# KiCad board ZX-Spectrum-Keyboard.kicad_pcb (continued)
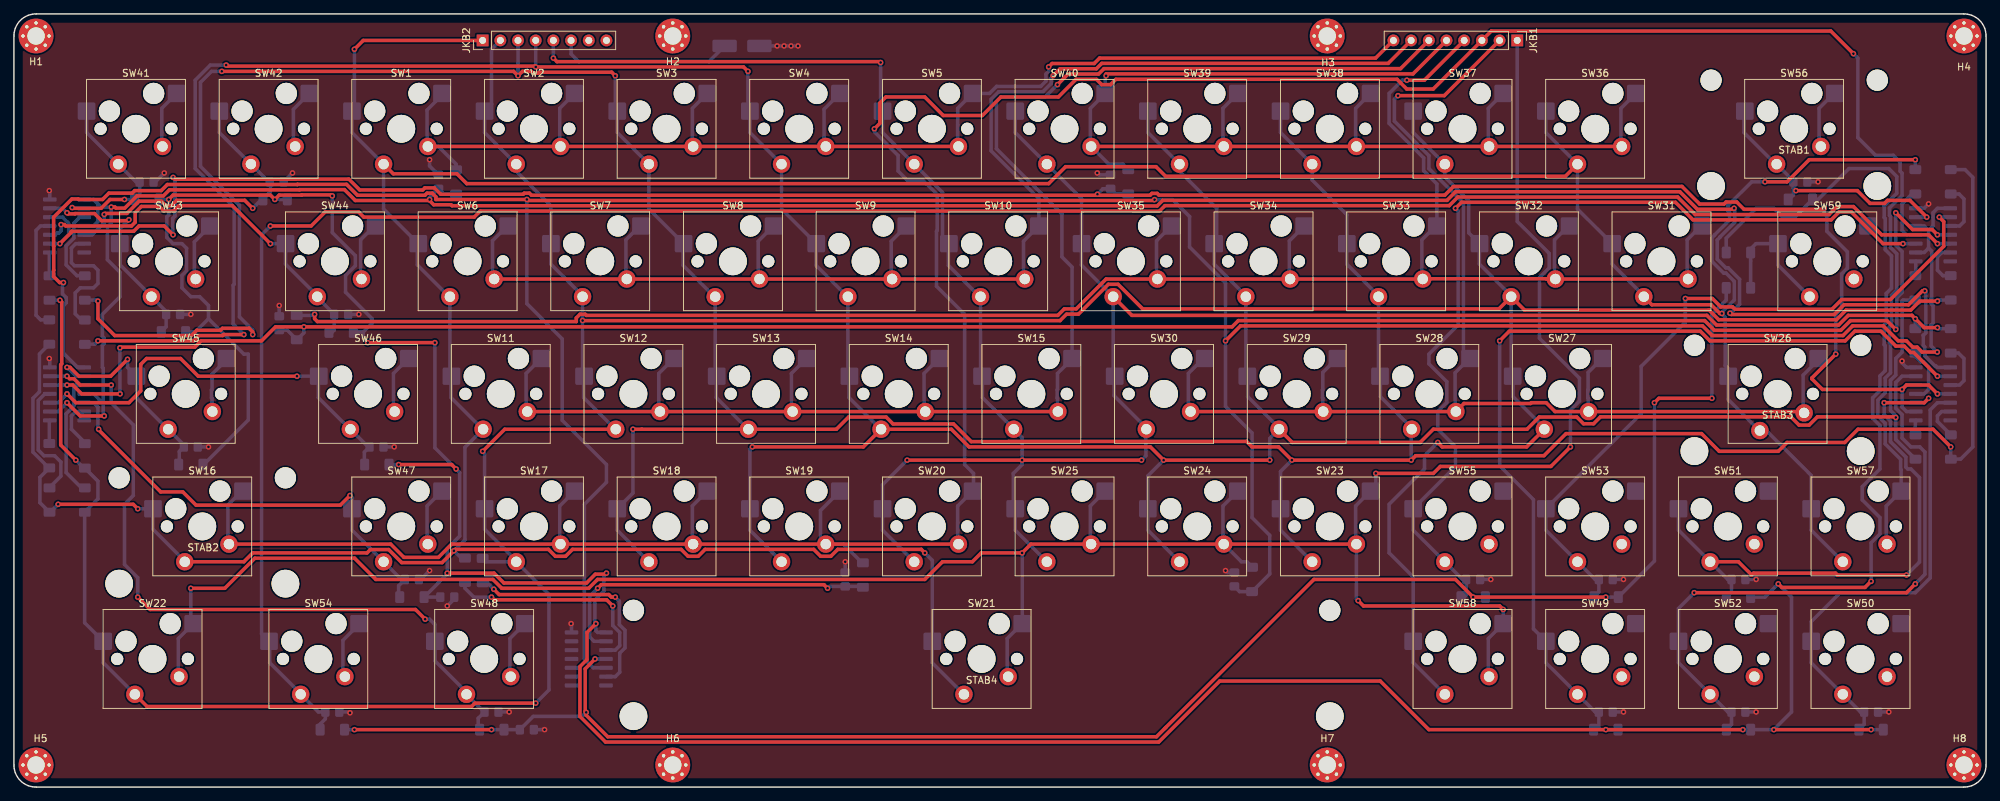
[diagram p0: board, top side]
## Routing (per net, layer and track width the routed paths; a pad name or vN(x,y) marks a point on that pad's centre or on a via; arc(x,y) is an arc through that point) (continued)
Net-(D31-K): length 136.9
  Top w0.508: v1(271.29,78.11) 268.42,78.11 263.85,82.67 262.11,82.67 260.96,81.53 241.13,81.53 238.6,84.05 207.88,84.05 v1(207.01,83.19)
  Bottom w0.508: D31.1 208.28,27.31 208.55,27.58 R15.2 208.03,29.84 SW55.1 200.94,36.93 SW55.1 207.01,46.07 207.01,48.9 204.47,51.44 204.47,53.98 205.77,55.27 205.77,58.27 203.2,60.84 203.2,62.23 207.4,66.43 207.4,82.8 v1(207.01,83.19) ; v1(271.29,78.11) U4.10
Net-(D32-K): length 39.7
  Top w0.508: v1(274.69,81.92) 272.27,84.33 269.06,84.33 268.62,83.89 266.55,83.89 264.72,85.73 v1(255.91,85.73)
  Bottom w0.508: R16.2 255.54,86.09 v1(255.91,85.73) ; R16.2 255.54,85.09 254.91,84.46 D32.1 ; R16.2 255.54,87.13 SW56.1 ; 248.44,97.16 248.44,94.08 252.98,89.53 ; v1(274.69,81.92) U4.13
Net-(D38-K): length 31.4
  Top w0.508: v1(85.99,26.04) 85.12,26.91 68.96,26.91 v1(68.58,27.3)
  Bottom w0.508: 64.77,29.37 64.77,28.58 66.04,27.3 v1(68.58,27.3) ; v1(85.99,26.04) 85.99,23.23 87,22.23 87,20.32 86.36,19.69 U5.3
Net-(D39-K): length 33.8
  Top w0.508: v1(86.36,27.31) 85.8,27.31 85.43,27.67 69.67,27.67 v1(68.91,28.44)
  Bottom w0.508: v1(68.91,28.44) 67.98,29.37 D39.1 ; U5.6 86.36,15.88 87,16.51 87,19.25 87.75,20.01 87.75,22.54 86.94,23.35 86.94,26.73 v1(86.36,27.31)
Net-(D40-A): length 25.4
  Bottom w0.508: JKB2.6 80.01,105.37 81.1,104.28 99.81,104.28 D40.2
Net-(D41-K): length 19.6
  Top w0.508: SW59.1 257.23,71.12 257.1,71.12
  Bottom w0.508: SW59.1 253.33,75.03 SW59.1 250.16,78.1 249.4,77.34 249.4,72.52

## Copper pours and planes (outline as drawn; the poured copper is in the pictures)
GND on Bottom: 281.94,1.27 1.27,1.27 1.27,109.86 281.94,109.86
VCC on Top: 281.94,1.27 1.27,1.27 1.27,109.86 281.94,109.86
